# Altium PCB MainBoard_6_layers.PcbDoc (part 2 of 6)
Units mil, origin at the board's own origin, x right, y up, seen from the top; angles counter-clockwise.
Board outline 6692.91 x 6692.91 mil, 6 copper layers (Top Layer, Layer 1, Layer 3, Layer 4, Layer 2, Bottom Layer), stack 32.112 mil thick; 236 components, 405 nets, 1909 pads, 1279 vias.
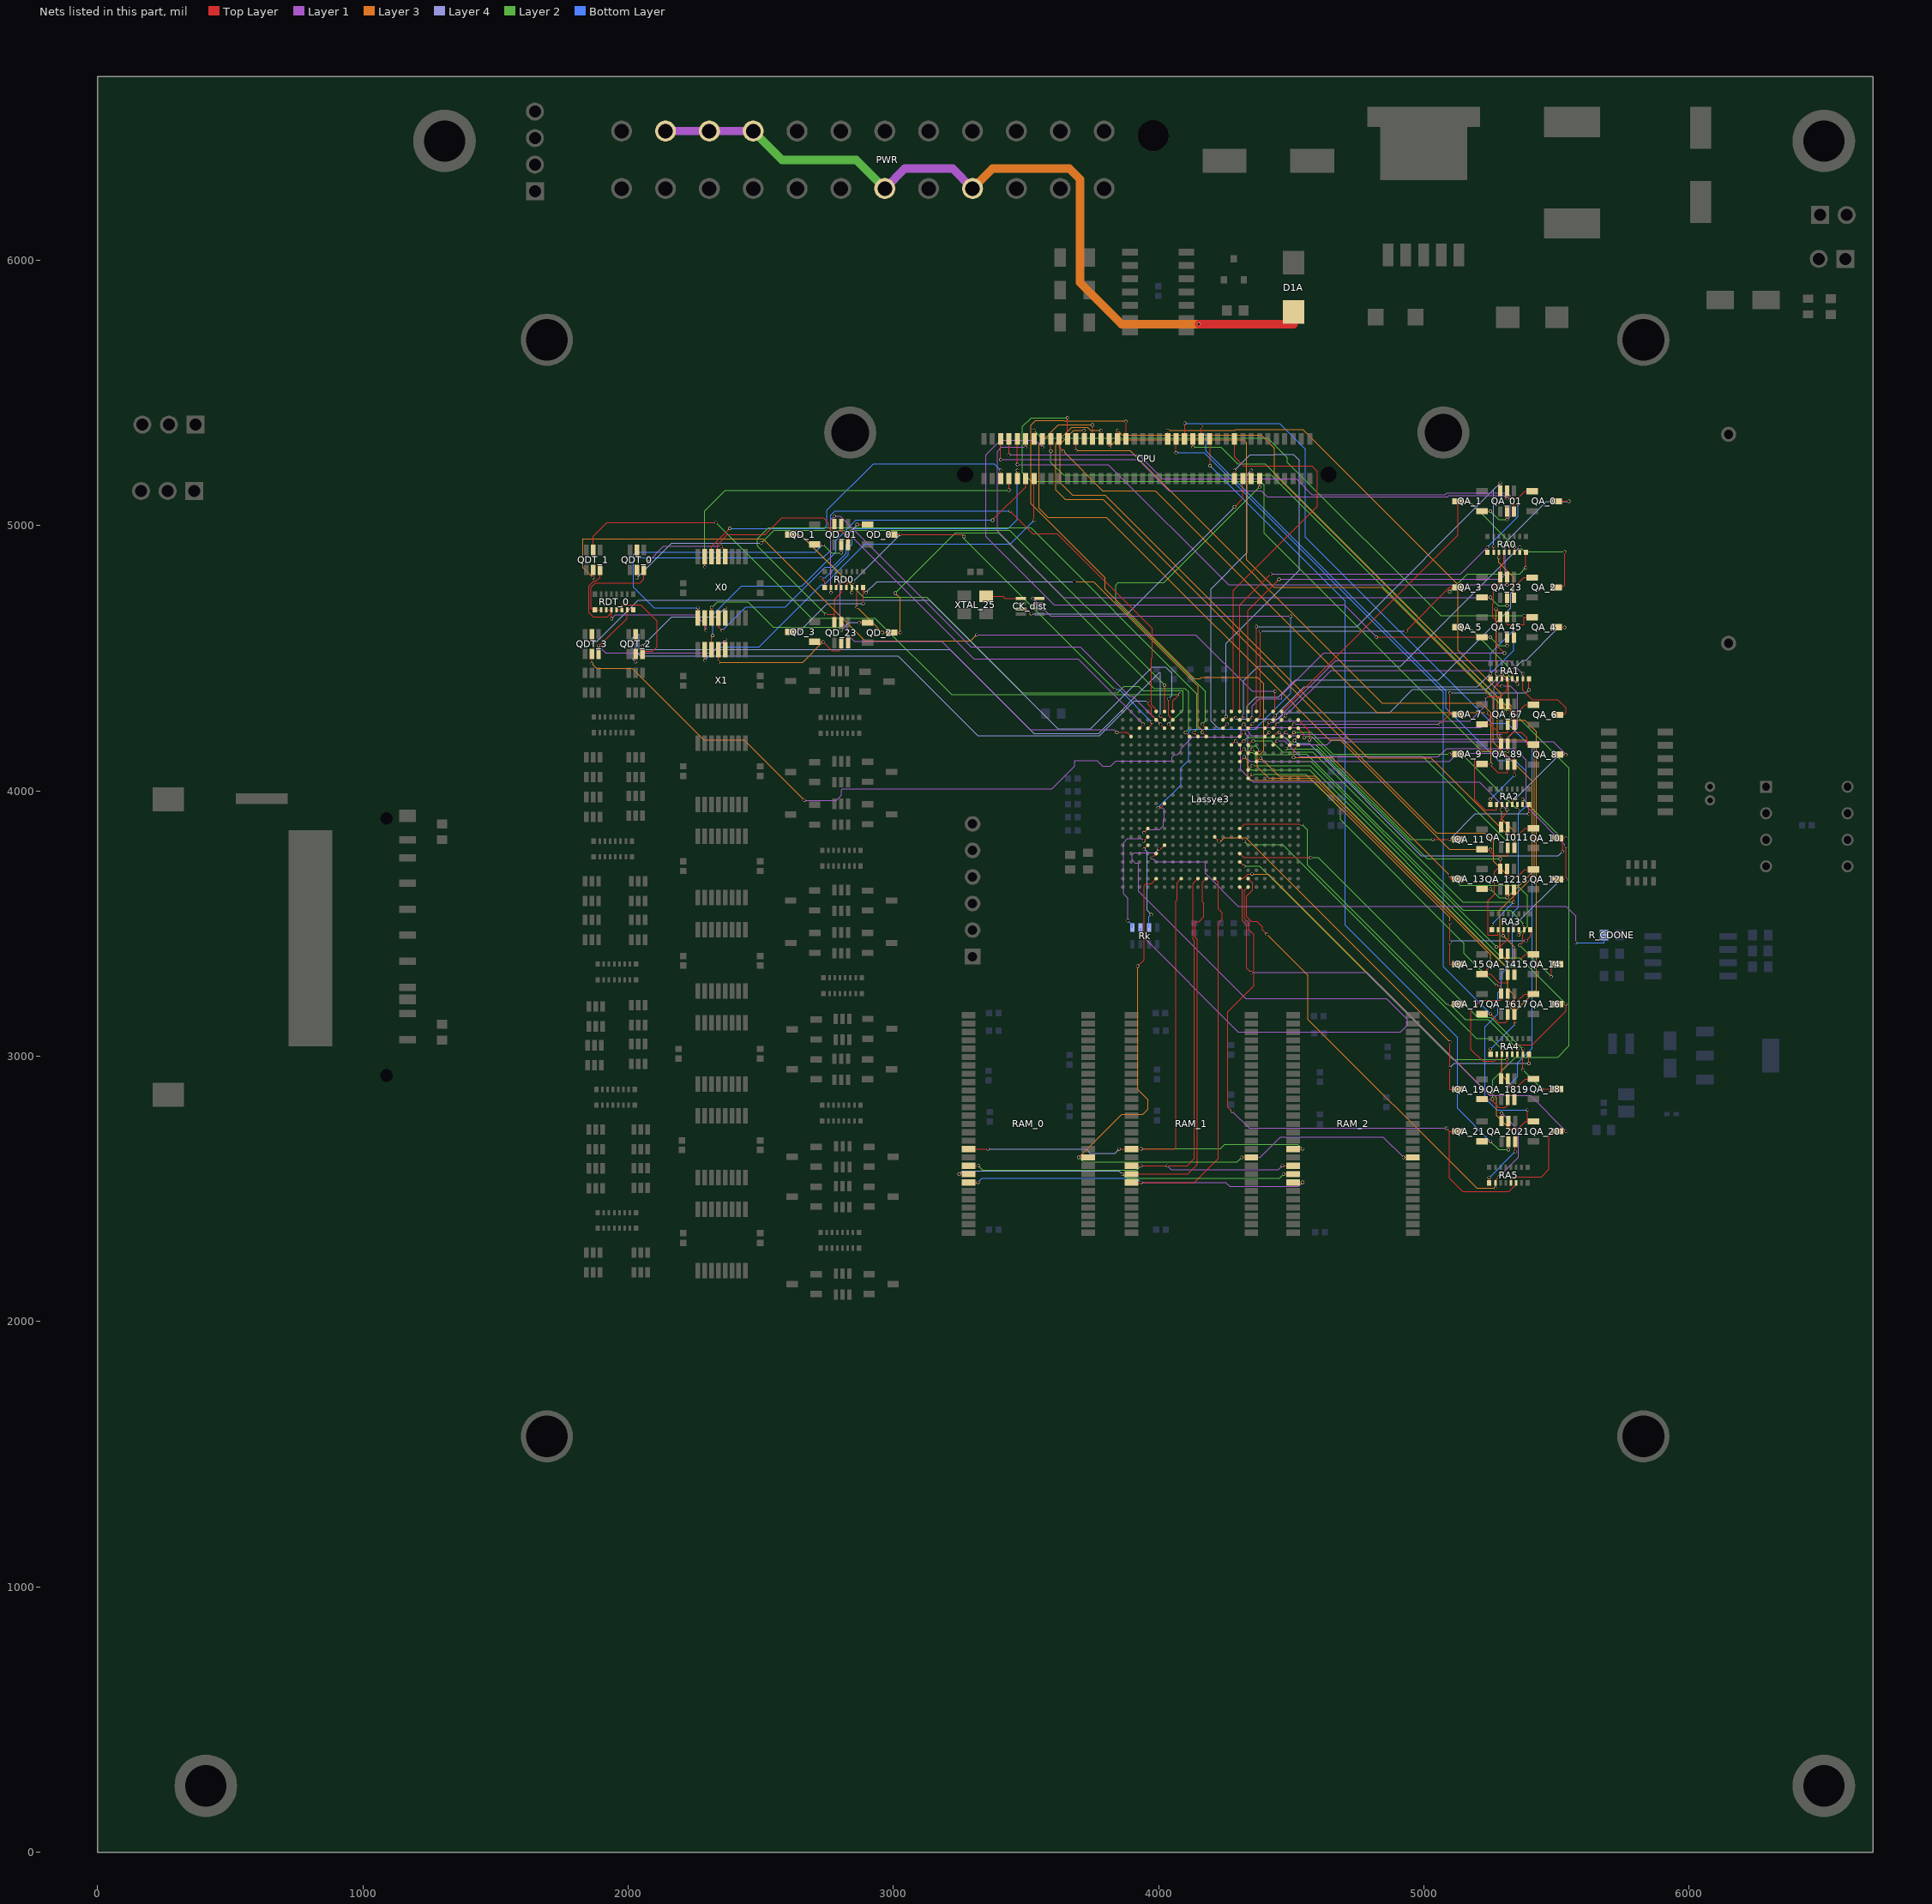
[diagram p6: the nets of this part, all layers, seen from the top]

## Via types
v1: diameter 11.81, hole 9.84, Top Layer to Bottom Layer, tented both sides, 1273 vias
v2: diameter 11.81, hole 9.84, Top Layer to Bottom Layer, 3 vias
v3: diameter 19.68, hole 13.78, Top Layer to Bottom Layer, tented both sides, 2 vias
v4: diameter 47.24, hole 35.43, Top Layer to Bottom Layer, tented both sides, 1 vias

## Nets (pads, with @x,y where several pads share a name; then routed paths per layer and width w, separated by ;. In a path a pad name is that pad's centre, name@x,y a point inside that pad or via, vN(x,y) a via of type N, cw(c..) or ccw(c..) an arc to the next point about the centre after c; other vN are vias at no path point) (continued)
+5: D1A.2 PWR.7 PWR.11 PWR.18 PWR.20 PWR.22 | length 3067.9
  Top Layer w19.68: 4508.66,5760 D1A.2@4508.66,5806.05
  Top Layer w31.5: v1(4151.91,5760) 4508.66,5760
  Layer 1 w31.5: PWR.22@2140.83,6487.59 PWR.20@2306.18,6487.59 PWR.18@2471.54,6487.59 ; PWR.11@2967.6,6271.05 3042.6,6346.05 3223.31,6346.05 PWR.7@3298.31,6271.05
  Layer 2 w31.5: PWR.18@2471.54,6487.59 2580.13,6379 2859.65,6379 PWR.11@2967.6,6271.05
  Layer 3 w31.5: PWR.7@3298.31,6271.05 3373.31,6346.05 3663.66,6346.05 3703.66,6306.05 3703.66,5916.25 3859.91,5760 v1(4151.91,5760)
A0: CPU.5 QA_0.1 QA_01.5 | length 2188.2
  Top Layer w4: v1(3404.37,5249) CPU.5@3404.37,5327.43 ; QA_01.5@5313.66,5131.57 5313.66,5102 v1(5313.91,5102) 5353.91,5102 5381.51,5129.6 QA_0.1@5408.39,5129.6
  Layer 1 w4: v1(3404.37,5249) 3922.91,5249 4039.91,5132 4386.43,5132 4408.74,5109.69 5089.26,5109.69 5093.57,5114 5301.91,5114 v1(5313.91,5102)
A0_A: Lassye3.A15 QA_01.3 RA0.1 | length 1701.1
  Top Layer w4: Lassye3.A15@4305.67,4299.64 4305.67,4701.76 v1(4421.91,4818) ; RA0.1@5239.76,4899.87 v1(5239.76,4919.62) ; QA_01.3@5339.25,5052.83 5339.25,5082 v1(5354.91,5082)
  Layer 1 w4: v1(4421.91,4818) 5138.14,4818 v1(5239.76,4919.62)
  Bottom Layer w4: v1(5239.76,4919.62) 5354.91,5034.77 v1(5354.91,5082)
A0_B: Lassye3.A16 QA_0.3 RA0.5 | length 1922.1
  Top Layer w4: Lassye3.A16@4337.17,4299.64 4337.17,4681.25 v1(4453.91,4798) ; v1(5305.91,4935.68) 5321.97,4919.62 RA0.5@5321.97,4899.87 ; QA_0.3@5498.94,5092.2 5546.72,5092.2 v1(5546.91,5092)
  Layer 1 w4: v1(4453.91,4798) 5287.91,4798 5305.91,4816 v1(5305.91,4935.68)
  Layer 4 w4: v1(5305.91,4935.68) 5462.24,5092 v1(5546.91,5092)
A1: CPU.7 QA_1.1 QA_01.2 | length 2296.2
  Top Layer w4: v1(3435.87,5267) CPU.7@3435.87,5327.43 ; QA_1.1@5218.94,5054.79 v1(5250.5,5054.79) v1@5250.91,5054.79 ; v1(5313.66,5023) QA_01.2@5313.66,5052.83
  Layer 1 w4: v1(3435.87,5267) 3924.91,5267 4014.91,5177 4518.91,5177 4578.22,5117.69 5080.61,5117.69 5085.91,5123 5314.91,5123 5325.91,5112 5325.91,5035.25 v1(5313.66,5023)
  Layer 2 w4: v1(5250.5,5054.79) 5282.29,5023 5282.71,5023 ; v1@5250.91,5054.79 5282.71,5023 ; v1(5313.66,5023) 5282.71,5023
A1_A: Lassye3.A17 QA_01.6 RA0.2 | length 1729.6
  Top Layer w4: Lassye3.A17@4368.66,4299.64 v1(4368.66,4620) ; RA0.2@5262.91,4899.87 v1(5262.91,4922) ; QA_01.6@5288.07,5131.57 v1(5288.07,5161.16)
  Layer 4 w4: v1(4368.66,4620) 4746.91,4620 5262.91,5136 ; v1(5262.91,4922) 5262.91,5136 ; v1(5288.07,5161.16) 5262.91,5136
A1_B: Lassye3.A20 QA_1.3 RA0.6 | length 1373.4
  Top Layer w4: Lassye3.A20@4463.15,4299.64 5127.91,4964.4 5127.91,5092.2 QA_1.3@5128.39,5092.2 v1(5169.91,5092.2) ; RA0.6@5341.65,4899.87 v1(5341.65,4920.46)
  Layer 2 w4: v1(5169.91,5092.2) v1(5341.65,4920.46)
A2: CPU.9 QA_2.1 QA_23.5 | length 2266.5
  Top Layer w4: v1(3467.36,5231) CPU.9@3467.36,5327.43 ; QA_23.5@5313.66,4806.57 v1(5313.66,4777) 5349.32,4777 5376.91,4804.6 QA_2.1@5408.39,4804.6
  Layer 1 w4: v1(3467.36,5231) 3809.33,5231 4263.33,4777 v1(5313.66,4777)
A2_A: Lassye3.B14 QA_23.3 RA0.3 | length 1535.9
  Top Layer w4: Lassye3.B14@4274.17,4268.14 4274.17,4276 v1(4289.91,4276) ; v1(5282.6,4880) RA0.3@5282.6,4899.87 ; QA_23.3@5339.25,4727.83 v1(5339.25,4757.42)
  Layer 3 w4: v1(5282.6,4880) 5282.6,4862.31 5339.25,4805.66 v1(5339.25,4757.42)
  Layer 4 w4: v1(4289.91,4276) 4289.91,4271 4332.91,4271 4332.91,4320 4366.91,4354 4450.91,4354 4515.91,4419 5055.91,4419 5326.83,4689.92 5326.83,4745 v1(5339.25,4757.42)
A2_B: Lassye3.B15 QA_2.3 RA0.7 | length 1762
  Top Layer w4: Lassye3.B15@4305.67,4268.14 v1(4320.91,4283.38) ; RA0.7@5361.34,4899.87 v1(5361.34,4919.62) v1@5361.34,4920 ; QA_2.3@5498.94,4767.2 5522.11,4767.2 5530.91,4776 v1(5530.91,4902)
  Layer 2 w4: v1@5361.34,4920 5379.34,4902 v1(5530.91,4902)
  Layer 4 w4: v1(4320.91,4283.38) 4320.91,4416 4375.91,4471 4912.72,4471 v1(5361.34,4919.62)
A3: CPU.11 QA_3.1 QA_23.2 | length 2543.5
  Top Layer w4: v1(3498.86,5296) CPU.11@3498.86,5327.43 ; QA_3.1@5218.94,4729.79 v1(5250.5,4729.79) ; v1(5313.66,4699) QA_23.2@5313.66,4727.83
  Layer 1 w4: v1(3498.86,5296) 3407.91,5296 3391.91,5280 3391.91,4980 3642.12,4729.79 v1(5250.5,4729.79)
  Layer 2 w4: v1(5250.5,4729.79) 5281.29,4699 v1(5313.66,4699)
A3_A: Lassye3.B16 QA_23.6 RA0.4 | length 1520.9
  Top Layer w4: Lassye3.B16@4337.17,4268.14 4339.87,4268.14 4346.24,4274.51 4351.42,4274.51 v1(4352.91,4276) ; RA0.4@5302.28,4899.87 5302.28,4860.21 5288.07,4846 QA_23.6@5288.07,4806.57 5288.07,4788 5262.91,4762.84 5262.91,4708 5259.91,4705 5259.91,4655 5273.91,4641 5273.91,4550 v1(5303.91,4520)
  Layer 1 w4: v1(4352.91,4276) 4352.91,4320 4380.91,4348 4464.35,4348 4464.35,4362.43 4621.91,4520 v1(5303.91,4520)
A3_B: Lassye3.B17 QA_3.3 RA0.8 | length 1553.2
  Top Layer w4: Lassye3.B17@4368.66,4268.14 4383.91,4283.39 v1(4383.91,4603) ; v1(4932.63,4603) 5096.83,4767.2 5096.91,4767.2 ; v1(5096.91,4751) 5096.91,4767.2 ; QA_3.3@5128.39,4767.2 5096.91,4767.2 ; v1(5384.49,4841.57) RA0.8@5384.49,4899.87
  Layer 2 w4: v1(5096.91,4751) 5163.91,4818 5360.91,4818 v1(5384.49,4841.57)
  Layer 4 w4: v1(4383.91,4603) v1(4932.63,4603)
A4: CPU.13 QA_4.1 QA_45.5 | length 2339.2
  Top Layer w4: v1(3529.91,5359) 3530.36,5358.56 CPU.13@3530.36,5327.43 ; QA_45.5@5313.66,4656.57 5313.66,4627 5377.51,4627 5377.51,4654.6 5383.91,4654.6 ; v1(5377.51,4661) 5383.91,4654.6 ; QA_4.1@5408.39,4654.6 5383.91,4654.6
  Layer 2 w4: v1(3529.91,5359) 3558.91,5330 4410.91,5330 4485.56,5255.35 4485.56,5238.65 5063.21,4661 v1(5377.51,4661)
A4_A: Lassye3.B19 QA_45.3 RA1.1 | length 1347.2
  Top Layer w4: Lassye3.B19@4431.65,4268.14 4431.65,4276 v1(4439.65,4284) ; RA1.1@5251.3,4422.67 v1(5251.3,4442.42) ; v1(5338.91,4607) 5339.25,4606.66 QA_45.3@5339.25,4577.83
  Layer 4 w4: v1(4439.65,4284) 4548.65,4393 5201.88,4393 v1(5251.3,4442.42)
  Bottom Layer w4: v1(5251.3,4442.42) 5251.3,4519.39 v1(5338.91,4607) 5338.91,4530.03 v1(5251.3,4442.42)
A4_B: Lassye3.B20 QA_4.3 RA1.5 | length 1277.5
  Top Layer w4: Lassye3.B20@4463.15,4268.14 4478.91,4283.9 v1(4478.91,4284) ; RA1.5@5333.51,4422.67 5333.51,4441.59 ; 5333.91,4442 5333.51,4441.59 ; v1(5333.91,4455) 5333.51,4454.59 5333.51,4441.59 ; QA_4.3@5498.94,4617.2 5530.72,4617.2 v1(5530.91,4617)
  Layer 1 w4: v1(4478.91,4284) 4649.91,4455 v1(5333.91,4455)
  Layer 4 w4: v1(5333.91,4455) 5371.91,4493 5384.91,4493 5508.91,4617 v1(5530.91,4617)
A5: CPU.15 QA_5.1 QA_45.2 | length 2753.2
  Top Layer w4: CPU.15@3561.85,5327.43 3561.85,5296.06 v1(3561.91,5296) ; v1(4821.12,4579.8) QA_5.1@5218.94,4579.8 v1(5250.5,4579.8) ; v1(5313.66,4548) QA_45.2@5313.66,4577.83
  Layer 1 w4: v1(3561.91,5296) 3534.91,5323 3403.66,5323 3348.66,5268 3348.66,4958.25 3605.91,4701 4699.91,4701 v1(4821.12,4579.8)
  Layer 2 w4: v1(5250.5,4579.8) 5282.3,4548 v1(5313.66,4548)
A5_A: Lassye3.B22 QA_45.6 RA1.2 | length 1448.2
  Top Layer w4: Lassye3.B22@4526.14,4268.14 4568.66,4225.62 v1(4568.66,4191.05) ; v1(5271.91,4686) 5288.07,4669.84 QA_45.6@5288.07,4656.57 ; v1(5274.45,4442) RA1.2@5274.45,4422.67 5274.45,4402.92 5281.32,4396.05 v1(5293.66,4396.05)
  Layer 1 w4: v1(4568.66,4191.05) 4570.62,4191.05 4579.47,4199.91 4706.82,4199.91 4711.73,4195 5311.91,4195 5353.91,4237 5353.91,4368 5325.86,4396.05 v1(5293.66,4396.05)
  Layer 3 w4: v1(5271.91,4686) 5271.91,4444.54 v1(5274.45,4442)
A5_B: Lassye3.C15 QA_5.3 RA1.6 | length 1553.8
  Top Layer w4: Lassye3.C15@4305.67,4236.64 v1(4321.03,4252) ; QA_5.3@5128.39,4617.2 v1(5169.91,4617.2) ; v1(5352.91,4403) 5353.19,4403.28 RA1.6@5353.19,4422.67
  Layer 1 w4: v1(4321.03,4252) 4333.03,4240 5215.91,4240 5263.66,4287.75 5263.66,4390.42 5295.91,4422.67 5333.25,4422.67 v1(5352.91,4403)
  Layer 2 w4: v1(5169.91,4617.2) 5317.91,4469.2 5317.91,4438 v1(5352.91,4403)
A6: CPU.17 QA_6.1 QA_67.5 | length 2337.9
  Top Layer w4: CPU.17@3593.35,5327.43 3593.66,5327.12 v1(3593.66,5281.05) ; QA_67.5@5316.17,4328.17 v1(5316.17,4299) 5356.32,4299 5381.91,4324.6 QA_6.1@5413.39,4324.6
  Layer 2 w4: v1(3593.66,5281.05) 3593.66,5238.25 3640.91,5191 4424.17,5191 v1(5316.17,4299)
A6_A: Lassye3.C16 QA_67.3 RA1.3 | length 1286.9
  Top Layer w4: Lassye3.C16@4337.17,4236.64 v1(4352.91,4252.39) ; RA1.3@5294.13,4422.67 v1(5294.13,4442.42) ; v1(5328.91,4279) 5341.76,4279 QA_67.3@5341.76,4249.43
  Layer 3 w4: v1(5294.13,4442.42) 5318.66,4417.89 5318.66,4331.25 5328.91,4321 v1(5328.91,4279)
  Layer 4 w4: v1(4352.91,4252.39) 4372.52,4272 4450.91,4272 4466.91,4288 4466.91,4296 4870.91,4296 4957.91,4383 5234.72,4383 v1(5294.13,4442.42)
A6_B: Lassye3.C18 QA_6.3 RA1.7 | length 1408.9
  Top Layer w4: Lassye3.C18@4400.16,4236.64 4415.91,4252.4 v1(4415.91,4258.98) ; v1(5372.88,4442.04) RA1.7@5372.88,4422.67 5372.88,4380.04 5407.91,4345 5503.91,4345 5535.91,4313 5535.91,4295.2 5527.91,4287.2 QA_6.3@5503.94,4287.2
  Layer 1 w4: v1(4415.91,4258.98) 4434.9,4258.98 4667.91,4492 5322.91,4492 v1(5372.88,4442.04)
A7: CPU.19 QA_7.1 QA_67.2 | length 2246
  Top Layer w4: CPU.19@3624.84,5327.43 3624.84,5296.07 v1(3640.91,5280) ; QA_7.1@5219.55,4251.4 5250.91,4251.4 ; v1(5234.91,4296) 5250.91,4280 5250.91,4251.4 ; QA_67.2@5316.17,4249.43 5316.17,4220 5282.31,4220 5250.91,4251.4
  Layer 3 w4: v1(3640.91,5280) 3788.91,5132 3986.91,5132 4822.91,4296 v1(5234.91,4296)
A7_A: Lassye3.C19 QA_67.6 RA1.4 | length 1031.9
  Top Layer w4: Lassye3.C19@4431.65,4236.64 4446.91,4251.9 v1(4446.91,4252) ; v1(5233.66,4356.05) 5290.58,4356.05 ; QA_67.6@5290.58,4328.17 5290.58,4356.05 ; RA1.4@5313.82,4422.67 5313.82,4381.24 5290.58,4358 5290.58,4356.05
  Layer 1 w4: v1(4446.91,4252) 4458.9,4263.98 5174.6,4263.98 5233.66,4323.04 v1(5233.66,4356.05)
A7_B: Lassye3.C21 QA_7.3 RA1.8 | length 1081.3
  Top Layer w4: Lassye3.C21@4494.65,4236.64 v1(4510,4252) ; v1(5061.12,4252) 5097.91,4288.8 5098.12,4288.8 ; v1(5098.12,4370) 5098.12,4288.8 ; QA_7.3@5129,4288.8 5098.12,4288.8 ; v1(5396.02,4381) RA1.8@5396.02,4422.67
  Layer 1 w4: v1(4510,4252) v1(5061.12,4252)
  Layer 4 w4: v1(5098.12,4370) 5385.02,4370 v1(5396.02,4381)
A8: CPU.21 QA_8.1 QA_89.5 | length 3001.2
  Top Layer w4: CPU.21@3656.34,5327.43 v1(3656.34,5407) ; v1(5315.91,4149) 5316.17,4149.26 QA_89.5@5316.17,4178.4 5316.17,4202.26 5335.91,4222 5367.91,4222 5389.32,4200.6 5389.32,4174.6 QA_8.1@5413.39,4174.6
  Layer 2 w4: v1(3656.34,5407) 3519.91,5407 3486.91,5374 3486.91,5200 3519.91,5167 4383.91,5167 4397.91,5153 4397.91,4971 5219.91,4149 v1(5315.91,4149)
A8_A: Lassye3.D15 QA_89.3 RA2.1 | length 1373.3
  Top Layer w4: Lassye3.D15@4305.67,4205.15 4320.52,4220 v1(4321.91,4220) ; v1(5250.91,3969.11) 5251.02,3969 RA2.1@5251.02,3948.9 ; v1(5341.76,4059.96) QA_89.3@5341.76,4099.66 v1(5341.76,4129.25)
  Layer 1 w4: v1(4321.91,4220) 4336.91,4205 4336.91,4120 4345.91,4111 5096.91,4111 5127.91,4142 5296.91,4142 5309.66,4129.25 v1(5341.76,4129.25)
  Bottom Layer w4: v1(5250.91,3969.11) v1(5341.76,4059.96)
A8_B: Lassye3.D19 QA_8.3 RA2.5 | length 1477
  Top Layer w4: Lassye3.D19@4431.65,4205.15 4447.4,4220.9 v1(4455.02,4220.9) ; RA2.5@5333.23,3948.9 5333.23,3959.31 v1(5342.91,3969) ; QA_8.3@5503.94,4137.2 v1(5535.5,4137.2)
  Layer 1 w4: v1(4455.02,4220.9) 4500.9,4175.02 4635.72,4175.02 4652.61,4191.91 4692.22,4191.91 4698.82,4185.3 5487.39,4185.3 v1(5535.5,4137.2)
  Layer 4 w4: v1(5342.91,3969) 5511.11,4137.2 v1(5535.5,4137.2)
A9: CPU.23 QA_9.1 QA_89.2 | length 2357.1
  Top Layer w4: v1(3687.84,5283.08) CPU.23@3687.84,5327.43 ; QA_9.1@5219.55,4101.63 v1@5247.29,4101.63 ; v1(5252.91,4101.63) v1@5247.29,4101.63 ; QA_89.2@5316.17,4099.66 5316.17,4070 5278.91,4070 v1@5247.29,4101.63
  Layer 3 w4: v1(3687.84,5283.08) 3891.84,5283.08 4842.91,4332 5215.91,4332 5252.91,4295 v1(5252.91,4101.63)
A9_A: Lassye3.D20 QA_89.6 RA2.2 | length 1283.7
  Top Layer w4: Lassye3.D20@4463.15,4205.15 4478.9,4220.9 v1(4479.02,4220.9) ; RA2.2@5274.17,3948.9 5274.17,3929 5229.91,3929 5190.91,3968 5190.91,4120 5223.91,4153 5290.58,4153 QA_89.6@5290.58,4178.4 v1(5290.58,4207.99)
  Layer 1 w4: v1(4479.02,4220.9) 4491.92,4207.99 4530.84,4207.99 4536.57,4213.72 5284.85,4213.72 v1(5290.58,4207.99)
A9_B: Lassye3.D21 QA_9.3 RA2.6 | length 1037.2
  Top Layer w4: Lassye3.D21@4494.65,4205.15 v1(4510.5,4221) ; v1(5097.44,4139.03) QA_9.3@5129,4139.03 ; v1(5352.91,3929) RA2.6@5352.91,3948.9
  Layer 2 w4: v1(4510.5,4221) 4573.91,4221 4655.89,4139.03 v1(5097.44,4139.03) 5142.89,4139.03 v1(5352.91,3929)
A10: CPU.25 QA_10.1 QA_1011.5 | length 2662.6
  Top Layer w4: v1(3718.91,5359) 3719.33,5358.58 CPU.25@3719.33,5327.43 ; v1(5315.91,3835) v1@5316.17,3835 ; QA_1011.5@5316.17,3864.37 v1@5316.17,3835 ; QA_10.1@5413.39,3859.6 5381.91,3859.6 5357.32,3835 v1@5316.17,3835
  Layer 3 w4: v1(3718.91,5359) 3679.91,5359 3628.91,5308 3628.91,5162 3675.91,5115 3797.91,5115 4788.91,4124 5026.91,4124 v1(5315.91,3835)
A10_A: Lassye3.C22 QA_1011.3 RA2.3 | length 1184.5
  Top Layer w4: Lassye3.C22@4526.14,4236.64 4548.91,4213.87 v1(4548.91,4201) ; v1(5293.86,3929.06) RA2.3@5293.86,3948.9 ; QA_1011.3@5341.76,3785.63 5341.76,3814.85 v1(5341.91,3815)
  Layer 2 w4: v1(4548.91,4201) 4552.91,4205 4577.91,4205 4651.91,4131 4993.91,4131 5309.91,3815 v1(5341.91,3815)
  Layer 3 w4: v1(5293.86,3929.06) 5293.86,3894.06 5341.91,3846 v1(5341.91,3815)
A10_B: Lassye3.D22 QA_10.3 RA2.7 | length 1544.9
  Top Layer w4: v1(4511.91,4190) 4511.91,4190.46 4526.14,4204.69 Lassye3.D22@4526.14,4205.15 ; RA2.7@5372.6,3948.9 v1(5372.6,3968.65) ; QA_10.3@5503.94,3822.2 QA_10.3@5522.91,3822.2 ; v1(5522.91,3772) QA_10.3@5522.91,3822.2 ; v1(5535.91,3822.2) QA_10.3@5522.91,3822.2
  Layer 2 w4: v1(5372.6,3968.65) 5519.05,3822.2 v1(5535.91,3822.2)
  Layer 4 w4: v1(4511.91,4190) 4511.91,4189 4521.76,4179.15 4567.1,4179.15 4990.25,3756 5506.91,3756 v1(5522.91,3772)
A11: CPU.27 QA_11.1 QA_1011.2 | length 2903.4
  Top Layer w4: CPU.27@3750.83,5327.43 v1(3750.83,5380) ; QA_11.1@5219.55,3780.43 5242.49,3780.43 ; v1(5250.91,3780) 5250.49,3780.43 5242.49,3780.43 ; QA_1011.2@5316.17,3785.63 5316.17,3756 5266.91,3756 5242.49,3780.43
  Layer 3 w4: v1(3750.83,5380) 3622.91,5380 3549.91,5307 3549.91,5066 3583.91,5032 3803.91,5032 4644.01,4191.91 4684.55,4191.91 5096.45,3780 v1(5250.91,3780)
A11_A: Lassye3.E14 QA_1011.6 RA2.4 | length 1299.7
  Top Layer w4: Lassye3.E14@4274.17,4173.65 4289.52,4189 v1(4289.91,4189) ; QA_1011.6@5290.58,3864.37 5290.58,3894 5313.54,3916.96 v1(5313.54,3929.15) RA2.4@5313.54,3948.9
  Layer 1 w4: v1(4289.91,4189) 4308.43,4170.49 4308.43,4081.29 4355.81,4033.91 5208.79,4033.91 v1(5313.54,3929.15)
A11_B: Lassye3.E15 QA_11.3 RA2.8 | length 1368
  Top Layer w4: Lassye3.E15@4305.67,4173.65 v1(4321.02,4189) ; v1(5033.91,3817.83) v1(5097.44,3817.83) QA_11.3@5129,3817.83 ; v1(5395.75,3914) RA2.8@5395.75,3948.9
  Layer 2 w4: v1(4321.02,4189) 4334.91,4202.9 4481.02,4202.9 4508.91,4175 4592.58,4175 4949.75,3817.83 v1(5033.91,3817.83)
  Layer 4 w4: v1(5097.44,3817.83) 5193.61,3914 v1(5395.75,3914)
A12: CPU.29 QA_12.1 QA_1213.5 | length 2902.8
  Top Layer w4: CPU.29@3782.32,5327.43 v1(3782.32,5359) ; QA_1213.5@5313.66,3706.57 5313.66,3677 v1(5320.91,3677) 5353.91,3677 5381.51,3704.6 QA_12.1@5413.39,3704.6
  Layer 3 w4: v1(3782.32,5359) 3743.91,5359 3731.91,5371 3671.91,5371 3612.91,5312 3612.91,5135 3647.91,5100 3789.91,5100 5047.91,3842 5228.91,3842 5262.91,3808 5262.91,3735 v1(5320.91,3677)
A12_A: Lassye3.E16 QA_1213.3 RA3.1 | length 1445.6
  Top Layer w4: Lassye3.E16@4337.17,4173.65 4352.51,4189 v1(4356.91,4189) ; v1(5255.91,3497.39) 5256.3,3497 RA3.1@5256.3,3477.67 ; v1(5339.25,3580.73) QA_1213.3@5339.25,3627.83
  Layer 2 w4: v1(4356.91,4189) 4425.91,4189 4467.91,4147 4488.86,4147 4489.33,4147.47 4580.4,4147.47 5147.15,3580.73 v1(5339.25,3580.73)
  Bottom Layer w4: v1(5255.91,3497.39) v1(5339.25,3580.73)
A12_B: Lassye3.E19 QA_12.3 RA3.5 | length 1842.3
  Top Layer w4: Lassye3.E19@4431.65,4173.65 v1(4447,4189) ; RA3.5@5338.5,3477.67 5338.5,3489.59 v1(5345.91,3497) ; QA_12.3@5503.94,3667.2 v1(5535.5,3667.2) 5535.91,3675.2 v1(5535.91,3792)
  Layer 1 w4: v1(4447,4189) 4473.93,4189 4533.93,4129 5053.91,4129 5085.82,4160.91 5341.01,4160.91 5384.91,4117 5384.91,3943 v1(5535.91,3792)
  Layer 4 w4: v1(5345.91,3497) 5516.11,3667.2 v1(5535.5,3667.2)
A13: CPU.31 QA_13.1 QA_1213.2 | length 3140.3
  Top Layer w4: CPU.31@3813.82,5327.43 3813.82,5296.09 v1(3813.91,5296) ; QA_13.1@5219.55,3630.65 v1(5251.11,3630.65) ; v1(5313.66,3598) QA_1213.2@5313.66,3627.83
  Layer 2 w4: v1(5251.11,3630.65) 5283.76,3598 v1(5313.66,3598)
  Layer 3 w4: v1(3813.91,5296) 3841.91,5324 4319.91,5324 4331.91,5312 4331.91,4871 4434.91,4768 4841.3,4768 5261.93,4347.36 5261.93,4183.98 5407.91,4038 5407.91,3692.25 v1(5313.66,3598)
A13_A: Lassye3.E21 QA_1213.6 RA3.2 | length 1372.1
  Top Layer w4: v1(4479.91,4159) Lassye3.E21@4494.65,4173.65 ; RA3.2@5279.45,3477.67 5279.45,3457 5241.91,3457 5241.91,3586 5265.91,3610 5265.91,3696 5276.91,3707 QA_1213.6@5288.07,3707 ; QA_1213.6@5288.07,3706.57 QA_1213.6@5288.07,3707 ; v1(5288.07,3744) QA_1213.6@5288.07,3707
  Layer 2 w4: v1(4479.91,4159) 4596.91,4159 5011.91,3744 v1(5288.07,3744)
A13_B: Lassye3.E22 QA_13.3 RA3.6 | length 1374.2
  Top Layer w4: v1(4508.91,4127) 4508.91,4156.42 Lassye3.E22@4526.14,4173.65 ; v1(5097.91,3682) 5099.41,3680.51 5099.41,3672.65 5106,3666.05 5127,3666.05 QA_13.3@5129,3668.05 ; v1(5357.91,3458) 5358.19,3458.28 RA3.6@5358.19,3477.67
  Layer 2 w4: v1(5097.91,3682) 5135.91,3644 5350.91,3644 5389.91,3605 5389.91,3490 v1(5357.91,3458)
  Layer 3 w4: v1(4508.91,4127) 4652.91,4127 v1(5097.91,3682)
A14: CPU.33 QA_14.1 QA_1415.5 | length 3249.4
  Top Layer w4: CPU.33@3845.32,5327.43 v1(3845.32,5359) ; v1(5315.66,3357.26) v1@5316.17,3357.77 ; QA_1415.5@5316.17,3386.23 v1@5316.17,3357.77 ; QA_14.1@5413.39,3384.6 5381.91,3384.6 5354.58,3357.26 v1@5316.17,3357.77
  Layer 3 w4: v1(3845.32,5359) 3862.32,5342 4386.01,5342 4436.06,5291.96 4436.06,5194.86 5276.91,4354 5276.91,4204 5287.91,4193 5382.91,4193 5415.91,4160 5415.91,3682 5286.91,3553 5286.91,3386 v1(5315.66,3357.26)
A14_A: Lassye3.F15 QA_1415.3 RA3.3 | length 1600.7
  Top Layer w4: Lassye3.F15@4305.67,4142.16 4321.51,4158 v1(4321.91,4158) ; v1(5299.13,3454.64) RA3.3@5299.13,3477.67 ; QA_1415.3@5341.76,3307.49 5341.76,3336.85 v1(5341.91,3337)
  Layer 2 w4: v1(4321.91,4158) 4336.13,4143.79 4336.13,4092.79 4349.91,4079 4568.91,4079 5310.91,3337 v1(5341.91,3337)
  Layer 3 w4: v1(5299.13,3454.64) 5341.91,3411.86 v1(5341.91,3337)
A14_B: Lassye3.F16 QA_14.3 RA3.7 | length 1645.7
  Top Layer w4: Lassye3.F16@4337.17,4142.16 4352.91,4157.9 v1(4352.91,4158) ; v1(5361.87,3419) 5373.12,3430.24 5373.12,3460.15 5377.87,3464.91 RA3.7@5377.87,3477.67 v1(5377.87,3497.42) ; v1(5480.8,3300.08) 5480.8,3347.2 QA_14.3@5503.94,3347.2
  Layer 2 w4: v1(4352.91,4158) 4373.01,4137.91 4497.33,4137.91 4498.9,4139.47 4558.52,4139.47 5147.99,3550 5325.29,3550 v1(5377.87,3497.42) ; v1(5361.87,3419) v1(5480.8,3300.08)